# Altium PCB HIVE_SIGHT_PCB ASCII REV Project_PCB_Rev.Project_SCH_Rev.PcbDoc (part 1 of 3) (continued)
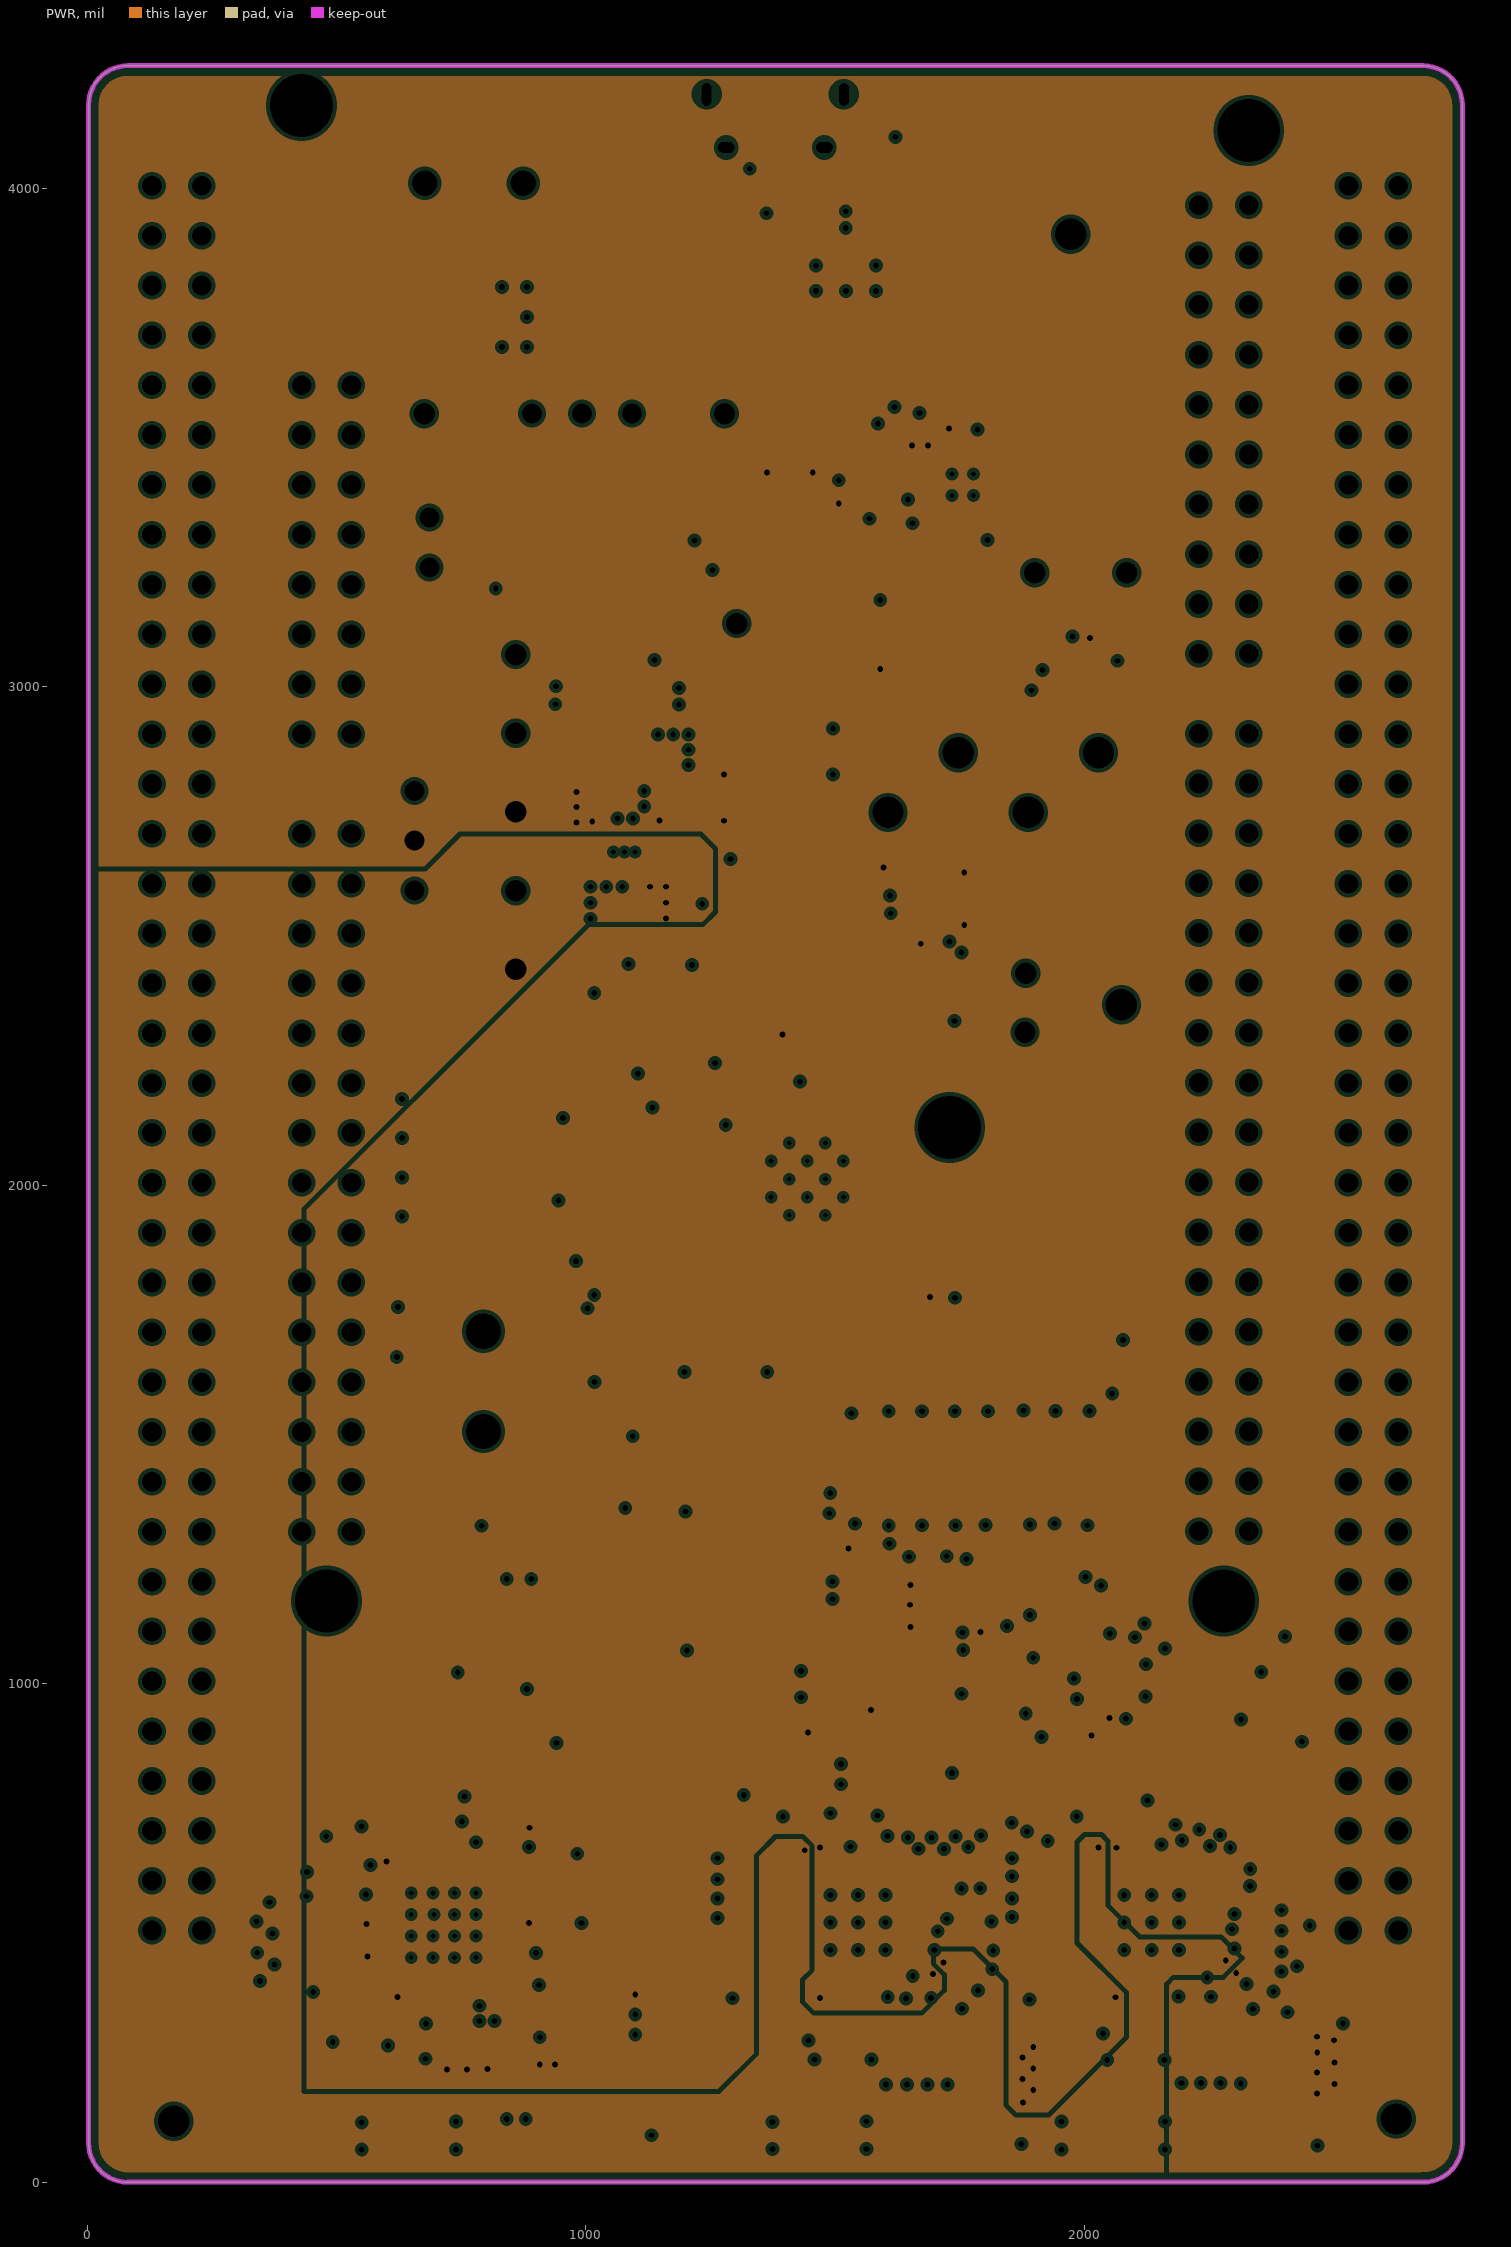
[diagram p3: PWR, clearances drawn from the general rule]

## Layer stack, top to bottom
Top Solder: solder mask 0.3937, Solder Resist, Dk 3.5
Top: signal copper 1.378
Dielectric 1: prepreg 4.8031, PP-006, Dk 4.2
GND: plane copper 1.378, net GND
Dielectric 2: core 45.2756, Core-009, Dk 4.2
PWR: plane copper 1.378, net (Multiple Nets)
Dielectric 3: prepreg 4.8031, PP-006, Dk 4.2
Bottom: signal copper 1.378
Bottom Solder: solder mask 0.3937, Solder Resist, Dk 3.5

## Board outline
2.34,79.16 ccw(c81.08,79.16) 81.08,0.42 80.92,0.38 2679.35,0.38 2679.35,0.58 ccw(c2679.35,79.32) 2758.09,79.32 2758.09,79.12 2758.09,4167.09 ccw(c2679.35,4167.09) 2679.35,4245.83 2679.35,4246.04 80.93,4246.04 ccw(c80.93,4167.3) 2.19,4167.3

## Design rules (kind name [scope] priority, off if disabled: settings)
AssemblyTestPointUsage [All] p0: scope1count=1 scope1_0_kind=Board scope1_0_value=Board scope2count=1 scope2_0_kind=Board scope2_0_value=Board commentlength=0
AssemblyTestpoint [All] p0: scope1count=1 scope1_0_kind=Board scope1_0_value=Board scope2count=1 scope2_0_kind=Board scope2_0_value=Board commentlength=0
BoardOutlineClearance BoardOutlineClearance_NUCLEO [All] p0: scope1count=1 scope1_0_kind=Footprint scope1_0_value=MOD_NUCLEO-F429ZI scope2count=1 scope2_0_kind=Board scope2_0_value=Board commentlength=0 gap=15
BoardOutlineClearance BoardOutlineClearance-Fiducials [All] p0: scope1count=1 scope1_0_kind=ComponentClass scope1_0_value=Fiducials scope2count=1 scope2_0_kind=Board scope2_0_value=Board commentlength=0 gap=3.94
BoardOutlineClearance BoardOutlineClearance-Silk [All] p0 off: scope1count=1 scope1_0_kind=Board scope1_0_value=Board scope2count=1 scope2_0_kind=Board scope2_0_value=Board commentlength=94 gap=3.94 // Protel DXP Scope 1 Expression Was: (OnLayer('Bottom Overlay')) OR (OnLayer('Top Overlay'))
BoardOutlineClearance BoardOutlineClearance-MouseBites [All] p0: scope1count=1 scope1_0_kind=ComponentClass scope1_0_value=MouseBites scope2count=1 scope2_0_kind=Board scope2_0_value=Board commentlength=0 gap=10
BoardOutlineClearance [All] p0: scope1count=1 scope1_0_kind=Board scope1_0_value=Board scope2count=1 scope2_0_kind=Board scope2_0_value=Board commentlength=0 gap=19.68
BoardOutlineClearance BoardOutlineClearance_NUCLEO [HasFootprint('MOD_NUCLEO-F429ZI')] p1: gap=15 ignorepadtopadclearanceinfootprint=FALSE
BoardOutlineClearance BoardOutlineClearance-Silk [(OnLayer('Bottom Overlay')) OR (OnLayer('Top Overlay'))] p2: gap=3.94 ignorepadtopadclearanceinfootprint=FALSE
BoardOutlineClearance BoardOutlineClearance-Fiducials [InComponentClass('Fiducials')] p3: gap=3.94 ignorepadtopadclearanceinfootprint=FALSE
BoardOutlineClearance BoardOutlineClearance-MouseBites [InComponentClass('MouseBites')] p4: gap=10 ignorepadtopadclearanceinfootprint=FALSE except(0: Arc-SplitContinuation Track-SplitContinuation SMDPad-SplitContinuation THPad-OutlineEdge THPad-CavityEdge THPad-CutoutEdge THPad-SplitBarrior THPad-SplitContinuation Via-SplitContinuation Fill-SplitContinuation Poly-SplitContinuation Region-OutlineEdge Region-CavityEdge Region-CutoutEdge Region-SplitBarrior Region-SplitContinuation Text-SplitContinuation; 20: Arc-OutlineEdge Track-OutlineEdge SMDPad-OutlineEdge Via-OutlineEdge Fill-OutlineEdge Poly-OutlineEdge Text-OutlineEdge)
BoardOutlineClearance [All] p5: gap=19.68 ignorepadtopadclearanceinfootprint=FALSE
Clearance Clearance_1 [All] p0 off: scope1count=1 scope1_0_kind=Board scope1_0_value=Board scope2count=1 scope2_0_kind=Board scope2_0_value=Board commentlength=70 gap=0 // Protel DXP Scope 2 Expression Was: IsSMTPin Or IsThruPin  or IsVia
Clearance [All] p0: scope1count=1 scope1_0_kind=Board scope1_0_value=Board scope2count=1 scope2_0_kind=Board scope2_0_value=Board commentlength=0 gap=5
Clearance Clearance_1 [IsVia and (NOT InAnyComponent) vs IsSMTPin Or IsThruPin  or IsVia] p1: gap=0 ignorepadtopadclearanceinfootprint=FALSE except(2: SMDPad-Via THPad-Via; 6: Via-Via)
Clearance [All] p2: gap=5 ignorepadtopadclearanceinfootprint=FALSE
ComponentClearance [All] p0: scope1count=1 scope1_0_kind=Board scope1_0_value=Board scope2count=1 scope2_0_kind=Board scope2_0_value=Board commentlength=0 gap=4 collisioncheckmode=3
ComponentClearance [All] p1: gap=4 collisioncheckmode=3 verticalgap=4 showdistances=FALSE
DiffPairsRouting [All] p0: scope1count=1 scope1_0_kind=Board scope1_0_value=Board scope2count=1 scope2_0_kind=Board scope2_0_value=Board commentlength=0
DiffPairsRouting [All] p1: maxlimit=8 minlimit=8 mostfreqgap=8 toplayer_minwidth=4 toplayer_maxwidth=4 toplayer_prefwidth=4 bottomlayer_minwidth=4 bottomlayer_maxwidth=4 bottomlayer_prefwidth=4 maxuncoupledlength=500
FabricationTestPointUsage [All] p0: scope1count=1 scope1_0_kind=Board scope1_0_value=Board scope2count=1 scope2_0_kind=Board scope2_0_value=Board commentlength=0 valid=0 allowmultiple=FALSE
FabricationTestpoint [All] p0: scope1count=1 scope1_0_kind=Board scope1_0_value=Board scope2count=1 scope2_0_kind=Board scope2_0_value=Board commentlength=0 side=3 testpointundercomponent=TRUE minsize=40 maxsize=100 preferedsize=60 minholesize=0 maxholesize=40 preferedholesize=32 testpointgrid=1
FanoutControl Fanout_BGA [All] p0 off: scope1count=1 scope1_0_kind=Board scope1_0_value=Board scope2count=1 scope2_0_kind=Board scope2_0_value=Board commentlength=69 // Protel DXP Scope 1 Expression Was: IsBGA   Fanout_BGA (Default Rule)
FanoutControl Fanout_LCC [All] p0 off: scope1count=1 scope1_0_kind=Board scope1_0_value=Board scope2count=1 scope2_0_kind=Board scope2_0_value=Board commentlength=69 // Protel DXP Scope 1 Expression Was: IsLCC   Fanout_LCC (Default Rule)
FanoutControl Fanout_SOIC [All] p0 off: scope1count=1 scope1_0_kind=Board scope1_0_value=Board scope2count=1 scope2_0_kind=Board scope2_0_value=Board commentlength=71 // Protel DXP Scope 1 Expression Was: IsSOIC   Fanout_SOIC (Default Rule)
FanoutControl Fanout_Small [All] p0 off: scope1count=1 scope1_0_kind=Board scope1_0_value=Board scope2count=1 scope2_0_kind=Board scope2_0_value=Board commentlength=84 // Protel DXP Scope 1 Expression Was: (CompPinCount < 5)   Fanout_Small (Default Rule)
FanoutControl Fanout_Default [All] p0: scope1count=1 scope1_0_kind=Board scope1_0_value=Board scope2count=1 scope2_0_kind=Board scope2_0_value=Board commentlength=30 // Fanout_Default (Default Rule)
Height [All] p0: scope1count=1 scope1_0_kind=Board scope1_0_value=Board scope2count=1 scope2_0_kind=Board scope2_0_value=Board commentlength=0
HoleSize [All] p0: scope1count=1 scope1_0_kind=Board scope1_0_value=Board scope2count=1 scope2_0_kind=Board scope2_0_value=Board commentlength=0 absolutevalues=TRUE maxlimit=236.22 minlimit=9.84 maxpercent=80.000 minpercent=20.000
HoleSize [All] p1: absolutevalues=TRUE maxlimit=236.22 minlimit=9.84 maxpercent=80.000 minpercent=20.000
HoleToHoleClearance HoleToHoleClearance_1 [All] p0 off: scope1count=1 scope1_0_kind=Board scope1_0_value=Board scope2count=1 scope2_0_kind=Board scope2_0_value=Board commentlength=53 // Protel DXP Scope 2 Expression Was: InAnyComponent
HoleToHoleClearance [All] p0: scope1count=1 scope1_0_kind=Board scope1_0_value=Board scope2count=1 scope2_0_kind=Board scope2_0_value=Board commentlength=0
HoleToHoleClearance HoleToHoleClearance_Via [All] p0 off: scope1count=1 scope1_0_kind=Board scope1_0_value=Board scope2count=1 scope2_0_kind=Board scope2_0_value=Board commentlength=44 // Protel DXP Scope 2 Expression Was: IsVia
HoleToHoleClearance HoleToHoleClearance_1 [InAnyComponent vs InAnyComponent] p1: gap=8 allowstackedmicrovias=TRUE
HoleToHoleClearance HoleToHoleClearance_Via [IsVia vs IsVia] p2: gap=18 allowstackedmicrovias=TRUE
HoleToHoleClearance [All] p3: gap=18 allowstackedmicrovias=TRUE
LayerPairs [All] p0: scope1count=1 scope1_0_kind=Board scope1_0_value=Board scope2count=1 scope2_0_kind=Board scope2_0_value=Board commentlength=0 enforce=TRUE
MatchedLengths MatchedLengths_CLK [All] p0: scope1count=1 scope1_0_kind=NetClass scope1_0_value=CLK_DW scope2count=1 scope2_0_kind=Board scope2_0_value=Board commentlength=0 tolerance=0.98 amplitude=200 gap=20 style=90-Degree
MatchedLengths DiffMatching_32k [All] p0 off: scope1count=1 scope1_0_kind=Board scope1_0_value=Board scope2count=1 scope2_0_kind=Board scope2_0_value=Board commentlength=66 tolerance=9.84 amplitude=200 gap=20 style=90-Degree // Protel DXP Scope 1 Expression Was: InDifferentialPair('32K_X')
MatchedLengths DiffMatching_WithinPair [All] p0 off: scope1count=1 scope1_0_kind=Board scope1_0_value=Board scope2count=1 scope2_0_kind=Board scope2_0_value=Board commentlength=70 tolerance=1 amplitude=200 gap=20 style=90-Degree // Protel DXP Scope 1 Expression Was: Not InDifferentialPair('32K_X')
MatchedLengths MatchedLengths_CLK [InNetClass('CLK_DW')] p1: tolerance=0.98 checknetsindiffpair=FALSE checkdiffpairvsdiffpair=TRUE checkxsignals=TRUE checkothers=TRUE
MatchedLengths DiffMatching_32k [InDifferentialPair('32K_X')] p2: tolerance=9.84 checknetsindiffpair=TRUE checkdiffpairvsdiffpair=FALSE checkxsignals=FALSE checkothers=FALSE
MatchedLengths DiffMatching_WithinPair [Not InDifferentialPair('32K_X')] p3: tolerance=1 checknetsindiffpair=TRUE checkdiffpairvsdiffpair=FALSE checkxsignals=FALSE checkothers=FALSE
MinimumSolderMaskSliver [All] p0: scope1count=1 scope1_0_kind=Board scope1_0_value=Board scope2count=1 scope2_0_kind=Board scope2_0_value=Board commentlength=0
MinimumSolderMaskSliver [All] p1: minsoldermaskwidth=3.94
NetAntennae [All] p0: scope1count=1 scope1_0_kind=Board scope1_0_value=Board scope2count=1 scope2_0_kind=Board scope2_0_value=Board commentlength=0
PasteMaskExpansion [All] p0: scope1count=1 scope1_0_kind=Board scope1_0_value=Board scope2count=1 scope2_0_kind=Board scope2_0_value=Board commentlength=0 expansion=0
PlaneClearance [All] p0: scope1count=1 scope1_0_kind=Board scope1_0_value=Board scope2count=1 scope2_0_kind=Board scope2_0_value=Board commentlength=0 clearance=8
PlaneClearance [All] p1: clearance=8
PlaneConnect [All] p0: scope1count=1 scope1_0_kind=Board scope1_0_value=Board scope2count=1 scope2_0_kind=Board scope2_0_value=Board commentlength=0 planeconnectstyle=Direct reliefexpansion=20 reliefentries=4 reliefconductorwidth=10 reliefairgap=10
PlaneConnect [All] p1: planeconnectstyle=Direct reliefexpansion=20 reliefentries=4 reliefconductorwidth=10 reliefairgap=10
PolygonConnect [All] p0: scope1count=1 scope1_0_kind=Board scope1_0_value=Board scope2count=1 scope2_0_kind=Board scope2_0_value=Board commentlength=0 connectstyle=Direct reliefconductorwidth=10 reliefentries=4 polygonreliefangle="90 Angle"
PolygonConnect [All] p1: connectstyle=Direct reliefconductorwidth=10 reliefentries=4 polygonreliefangle="90 Angle" airgapwidth=10
RoutingCorners [All] p0: scope1count=1 scope1_0_kind=Board scope1_0_value=Board scope2count=1 scope2_0_kind=Board scope2_0_value=Board commentlength=0 cornerstyle=45-Degree minsetback=100 maxsetback=100
RoutingLayers [All] p0: scope1count=1 scope1_0_kind=Board scope1_0_value=Board scope2count=1 scope2_0_kind=Board scope2_0_value=Board commentlength=0 top layer=Automatic bottom layer=Automatic
RoutingPriority [All] p0: scope1count=1 scope1_0_kind=Board scope1_0_value=Board scope2count=1 scope2_0_kind=Board scope2_0_value=Board commentlength=0
RoutingTopology [All] p0: scope1count=1 scope1_0_kind=Board scope1_0_value=Board scope2count=1 scope2_0_kind=Board scope2_0_value=Board commentlength=0 topology=Shortest
RoutingVias [All] p0: scope1count=1 scope1_0_kind=Board scope1_0_value=Board scope2count=1 scope2_0_kind=Board scope2_0_value=Board commentlength=0 holewidth=19.68 width=39.37 viastyle="Through Hole" minholewidth=11.81 minwidth=19.68 maxholewidth=11.81 maxwidth=19.68
RoutingVias [All] p1: holewidth=19.68 width=39.37 viastyle="Through Hole" minholewidth=11.81 minwidth=19.68 maxholewidth=11.81 maxwidth=19.68
ShortCircuit [All] p0: scope1count=1 scope1_0_kind=Board scope1_0_value=Board scope2count=1 scope2_0_kind=Board scope2_0_value=Board commentlength=0 allowed=FALSE
SilkToBoardRegionClearance [All] p0: scope1count=1 scope1_0_kind=Board scope1_0_value=Board scope2count=1 scope2_0_kind=Board scope2_0_value=Board commentlength=0
SilkToSilkClearance [All] p0: scope1count=1 scope1_0_kind=Board scope1_0_value=Board scope2count=1 scope2_0_kind=Board scope2_0_value=Board commentlength=0
SilkToSilkClearance [All] p1: silktosilkclearance=3.94
SilkToSolderMaskClearance [All] p0 off: scope1count=1 scope1_0_kind=Board scope1_0_value=Board scope2count=1 scope2_0_kind=Board scope2_0_value=Board commentlength=44 // Protel DXP Scope 1 Expression Was: IsPad
SilkToSolderMaskClearance [IsPad] p1: minsilkscreentomaskgap=0.39 clearancetoexposedcopper=FALSE
SolderMaskExpansion SolderMaskExpansion_1 [All] p0 off: scope1count=1 scope1_0_kind=Board scope1_0_value=Board scope2count=1 scope2_0_kind=Board scope2_0_value=Board commentlength=69 expansion=4 // Protel DXP Scope 1 Expression Was: IsVia AND (NOT InAnyComponent)
SolderMaskExpansion [All] p0: scope1count=1 scope1_0_kind=Board scope1_0_value=Board scope2count=1 scope2_0_kind=Board scope2_0_value=Board commentlength=0 expansion=2
SolderMaskExpansion SolderMaskExpansion_1 [IsVia AND (NOT InAnyComponent)] p1: expansion=4 istentingtop=TRUE
SolderMaskExpansion [All] p2: expansion=2 istentingtop=FALSE
UnRoutedNet [All] p0: scope1count=1 scope1_0_kind=Board scope1_0_value=Board scope2count=1 scope2_0_kind=Board scope2_0_value=Board commentlength=0
UnpouredPolygon [All] p0: scope1count=1 scope1_0_kind=Board scope1_0_value=Board scope2count=1 scope2_0_kind=Board scope2_0_value=Board commentlength=0
Width [All] p0: scope1count=1 scope1_0_kind=Board scope1_0_value=Board scope2count=1 scope2_0_kind=Board scope2_0_value=Board commentlength=0 maxlimit=1000 minlimit=8 preferedwidth=8
Width [All] p1: maxlimit=1000 minlimit=8 preferedwidth=8 minimp=50.000000 maximp=50.000000 favimp=50.000000
21 further rules are at their usual default settings.

## Classes and differential pairs
net class CLK_DW: NetC65_1 NetC66_1
component class WROOM: C107 C108 C109 C110 C111 C112 C113 D21 R45 R46 R47 R48 R49 R50 R51 R52 R53 R54 S3 U14 X3
component class USB: C100 C101 C102 D19 D20 R40 R41 R42 R43 R44 S2 TP17 TP18 TP19 TP20 U11 U12
component class WIRELESS: C79 C80 C81 C82 C83 C84 C85 C86 C87 C88 C89 C90 C91 C92 C93 C94 C95 C96 C97 C98 C99 D17 D18 J11 J12 J13 L6 L7 R30 R31 R32 R33 R34 R35 R36 R37 R38 R39 R55 R56 R57 R58 R59 R60 R61 R62 S1 U9 U10 X1 X2
component class DECAWAVE: C5 C6 C7 C8 C9 C10 C11 C12 C13 C14 C15 C16 C17 C18 C19 C20 C21 C22 C23 C24 C25 C26 C27 C28 C29 C30 C31 C32 C33 C34 C103 C104 D6 D7 D8 D9 J7 L1 L2 R8 R9 R10 R11 R12 R13 R14 T1 U3
component class NUCLEO: J14 J15 J16 J17 U13
component class MISC: C65 C66 C67 C68 C69 C70 C71 C72 C73 C74 C75 C76 C77 C78 L5 R22 R23 R24 R25 R26 R27 R28 TP9 TP10 TP11 TP12 U5 U6 U7 U8 Y1
component class TOP: D14 D15 D16 J9 J10 MEC? R29 TP13 TP14 TP15 TP16
component class POWER: C1 C2 C3 C4 D1 D2 D3 D4 D5 J1 J2 J3 J4 J5 J6 Q1 Q2 Q3 Q4 R1 R2 R3 R4 R5 R6 R7 TP1 TP2 TP3 TP4 TP5 TP6 TP7 TP8 U1 U2
component class DECAWAVE: C35 C36 C37 C38 C39 C40 C41 C42 C43 C44 C45 C46 C47 C48 C49 C50 C51 C52 C53 C54 C55 C56 C57 C58 C59 C60 C61 C62 C63 C64 C105 C106 D10 D11 D12 D13 J8 L3 L4 R15 R16 R17 R18 R19 R20 R21 T2 U4
differential pair W_32K_X: +W_32K_X_P -W_32K_X_N
differential pair XTAL: +XTAL_P -XTAL_N
differential pair USB_D: +USB_D_P -USB_D_N
differential pair RFB: +RFB_P -RFB_N
differential pair RFA: +RFA_P -RFA_N
differential pair " ": +32K_X_P -32K_X_N

## Components (designator, comment, footprint, x,y, rotation, side; value= is the part's Value field where it differs from the comment)
C1 "C2012X7R1E475K125AE" CAP_CER_0805 1235.6,3009.42 r90 top
C2 "GRM21BR61C106KE15K" CAP_CER_0805 1121.93,2859.16 r180 top
C3 "CL10A475MA8NQNC" CAP_CER_0603 1050.2,2773.62 r180 top
C4 "GRM21BR61C106KE15K" CAP_CER_0805 1084.65,2554.13 r0 top
C5 "CGA2B3X7R1E104K050BB" CAP_CER_0402 2345.87,464.41 r0 top
C6 "CGA2B3X7R1E104K050BB" CAP_CER_0402 2341.98,504.8 r0 top
C7 "CGA2B3X7R1E104K050BB" CAP_CER_0402 2329.92,377.93 r0 top
C8 "CGA2B3X7R1E104K050BB" CAP_CER_0402 2342.45,552.93 r0 top
C9 "CGA2B3X7R1E104K050BB" CAP_CER_0402 2147.95,720.97 r90 top
C10 "CGA2B3X7R1E104K050BB" CAP_CER_0402 2313.11,242.01 r90 top
C11 "CL05B103KB5NFNC" CAP_CER_0402 2273.58,242.01 r90 top
C12 "CC0402KRX7R9BB102" CAP_CER_0402 2233.48,242.01 r90 top
C13 "CC0402JRNPO9BN120" CAP_CER_0402 2194.75,242.01 r90 top
C14 "CGA2B3X7R1E104K050BB" CAP_CER_0402 2107.02,720.83 r90 top
C15 "CC0402JRNPO9BN270" CAP_CER_0402 1899.86,451.76 r180 top
C16 "C0402C129C5GACTU" CAP_CER_0402 1956.79,473.19 r270 top
C17 "CGA2B3X7R1E104K050BB" CAP_CER_0402 2037.3,340.97 r270 top
C18 "GRM1555C1H180GA01D" CAP_CER_0402 1979.85,338.35 r180 top
C19 "CC0402KRX7R9BB821" CAP_CER_0402 1955.99,281 r90 top
C20 "CGA2B3X7R1E104K050BB" CAP_CER_0402 2312.82,317.05 r270 top
C21 "CL05B103KB5NFNC" CAP_CER_0402 2273.29,317.41 r270 top
C22 "CC0402KRX7R9BB102" CAP_CER_0402 2233.19,317.22 r270 top
C23 "CC0402JRNPO9BN120" CAP_CER_0402 2194.46,317.41 r270 top
C24 "CGA2B3X7R1E104K050BB" CAP_CER_0402 2346.9,424.37 r0 top
C25 "CGA2B3X7R1E104K050BB" CAP_CER_0402 2050.59,713.3 r90 top
C26 "CGA2B3X7R1E104K050BB" CAP_CER_0402 2009.63,713.3 r90 top
C27 "CGA2B3X7R1E104K050BB" CAP_CER_0402 1907.48,572.17 r180 top
C28 "CGA2B3X7R1E104K050BB" CAP_CER_0402 1907.48,532.31 r180 top
C29 "CGA2B3X7R1E104K050BB" CAP_CER_0402 1915.43,394.88 r270 top
C30 "CGA2B3X7R1E104K050BB" CAP_CER_0402 1956.79,399.86 r270 top
C31 "CGA2B3X7R1E104K050BB" CAP_CER_0402 1906.73,338.35 r180 top
C32 "CC0402JRNPO9BN101" CAP_CER_0402 1908.7,654.51 r0 top
C33 "CC0402JRNPO9BN120" CAP_CER_0402 2082.32,333.78 r90 top
C34 "CC0402JRNPO9BN120" CAP_CER_0402 2124.02,333.66 r90 top
C35 "CGA2B3X7R1E104K050BB" CAP_CER_0402 1764.9,468.84 r0 top
C36 "CGA2B3X7R1E104K050BB" CAP_CER_0402 1769.24,511.67 r0 top
C37 "CGA2B3X7R1E104K050BB" CAP_CER_0402 1739.67,388.44 r0 top
C38 "CGA2B3X7R1E104K050BB" CAP_CER_0402 1757.77,552.82 r0 top
C39 "CGA2B3X7R1E104K050BB" CAP_CER_0402 1559.18,716.89 r90 top
C40 "CGA2B3X7R1E104K050BB" CAP_CER_0402 1684.21,237.73 r90 top
C41 "CL05B103KB5NFNC" CAP_CER_0402 1724.93,238.22 r90 top
C42 "CC0402KRX7R9BB102" CAP_CER_0402 1643.66,237.9 r90 top
C43 "CC0402JRNPO9BN120" CAP_CER_0402 1602.78,237.9 r90 top
C44 "CGA2B3X7R1E104K050BB" CAP_CER_0402 1518.25,716.89 r90 top
C45 "CC0402JRNPO9BN270" CAP_CER_0402 1312.9,451.68 r180 top
C46 "CGA2B3X7R1E104K050BB" CAP_CER_0402 1446.63,331.85 r270 top
C47 "C0402C129C5GACTU" CAP_CER_0402 1370.58,467.96 r270 top
C48 "CGA2B3X7R1E104K050BB" CAP_CER_0402 1725.1,312.89 r270 top
C49 "CL05B103KB5NFNC" CAP_CER_0402 1684.21,312.63 r270 top
C50 "CC0402KRX7R9BB102" CAP_CER_0402 1643.45,312.76 r270 top
C51 "CC0402JRNPO9BN120" CAP_CER_0402 1602.78,312.38 r270 top
C52 "CGA2B3X7R1E104K050BB" CAP_CER_0402 1762.61,427.81 r0 top
C53 "CGA2B3X7R1E104K050BB" CAP_CER_0402 1461.49,713.3 r90 top
C54 "GRM1555C1H180GA01D" CAP_CER_0402 1381.03,336.49 r180 top
C55 "CC0402KRX7R9BB821" CAP_CER_0402 1358.57,279.64 r90 top
C56 "CGA2B3X7R1E104K050BB" CAP_CER_0402 1420.53,713.3 r90 top
C57 "CGA2B3X7R1E104K050BB" CAP_CER_0402 1317.25,569.92 r180 top
C58 "CGA2B3X7R1E104K050BB" CAP_CER_0402 1317.91,530.56 r180 top
C59 "CGA2B3X7R1E104K050BB" CAP_CER_0402 1329.8,394.02 r270 top
C60 "CGA2B3X7R1E104K050BB" CAP_CER_0402 1370.58,394.66 r270 top
C61 "CGA2B3X7R1E104K050BB" CAP_CER_0402 1306.73,336.49 r180 top
C62 "CC0402JRNPO9BN101" CAP_CER_0402 1317.9,650.36 r0 top
C63 "CC0402JRNPO9BN120" CAP_CER_0402 1494.58,332.55 r90 top
C64 "CC0402JRNPO9BN120" CAP_CER_0402 1534.78,332.6 r90 top
C65 "C0402C103M5RACTU" CAP_CER_0402 1720.47,742.13 r180 top
C66 "C0402C103M5RACTU" CAP_CER_0402 1639.76,742.13 r0 top
C67 "GRM21BC71E106KE11L" CAP_CER_0805 1733,1198.82 r180 top
C68 "CL05A105KL5NRNC" CAP_CER_0402 1701.37,1138.54 r180 top
C69 "CL05A104KA5NNNC" CAP_CER_0402 1701.37,1095.72 r180 top
C70 "CL05A104KA5NNNC" CAP_CER_0402 1775.21,1138.54 r0 top
C71 "CL05A104KA5NNNC" CAP_CER_0402 2066.11,905.81 r0 top
C72 "CC0402KRX7R9BB102" CAP_CER_0402 1531.17,896.58 r90 top
C73 "CL05A105KL5NRNC" CAP_CER_0402 1511.35,1246.09 r0 top
C74 "CL05A104KA5NNNC" CAP_CER_0402 1513.16,1128.99 r0 top
C75 "C0402C103M5RACTU" CAP_CER_0402 1513.16,1087.48 r0 top
C76 "CC0402CRNPO9BN3R0" CAP_CER_0402 1556.87,799.21 r0 top
C77 "CGA2B3X7R1E104K050BB" CAP_CER_0402 1786.93,2504.66 r270 top
C78 "CGA2B3X7R1E104K050BB" CAP_CER_0402 1685.56,2462.47 r0 top
C79 "0805YD106KAT2A" CAP_CER_0805 860.24,202.76 r90 top
C80 "CL05A105KL5NRNC" CAP_CER_0402 802.17,278.54 r270 top
C81 "CL05A104KA5NNNC" CAP_CER_0402 761.81,278.54 r270 top
C82 "CL05A104KA5NNNC" CAP_CER_0402 738.87,341.81 r180 top
C83 "C0402C332K5RACAUTO" CAP_CER_0402 536.11,361.99 r180 top
C84 "GRM155R71H103KA88D" CAP_CER_0402 536.11,280.89 r0 top
C85 "CC0402JRNPO9BN130" CAP_CER_0402 876.77,379.34 r270 top
C86 "CC0402JRNPO9BN130" CAP_CER_0402 876.77,309.34 r90 top
C87 "CL05A104KA5NNNC" CAP_CER_0402 922.36,990.96 r0 top
C88 "CL05A104KA5NNNC" CAP_CER_0402 587.6,695.65 r270 top
C89 "CC0402JRNPO9BN101" CAP_CER_0402 520.48,583.79 r270 top
C90 "CL05A105KL5NRNC" CAP_CER_0402 478.95,603.76 r270 top